# Altium PCB mdriver_power.PcbDoc (part 4 of 5)
Units mm, origin at the board's own origin, x right, y up, seen from the top; angles counter-clockwise.
Board outline 219 x 190 mm, 4 copper layers (Top Layer, Int1 (GND), Int2 (PWR), Bottom Layer), stack 1.369 mm thick; 308 components, 215 nets, 985 pads, 431 vias.
Unrouted connection lines stored in the file: 74.
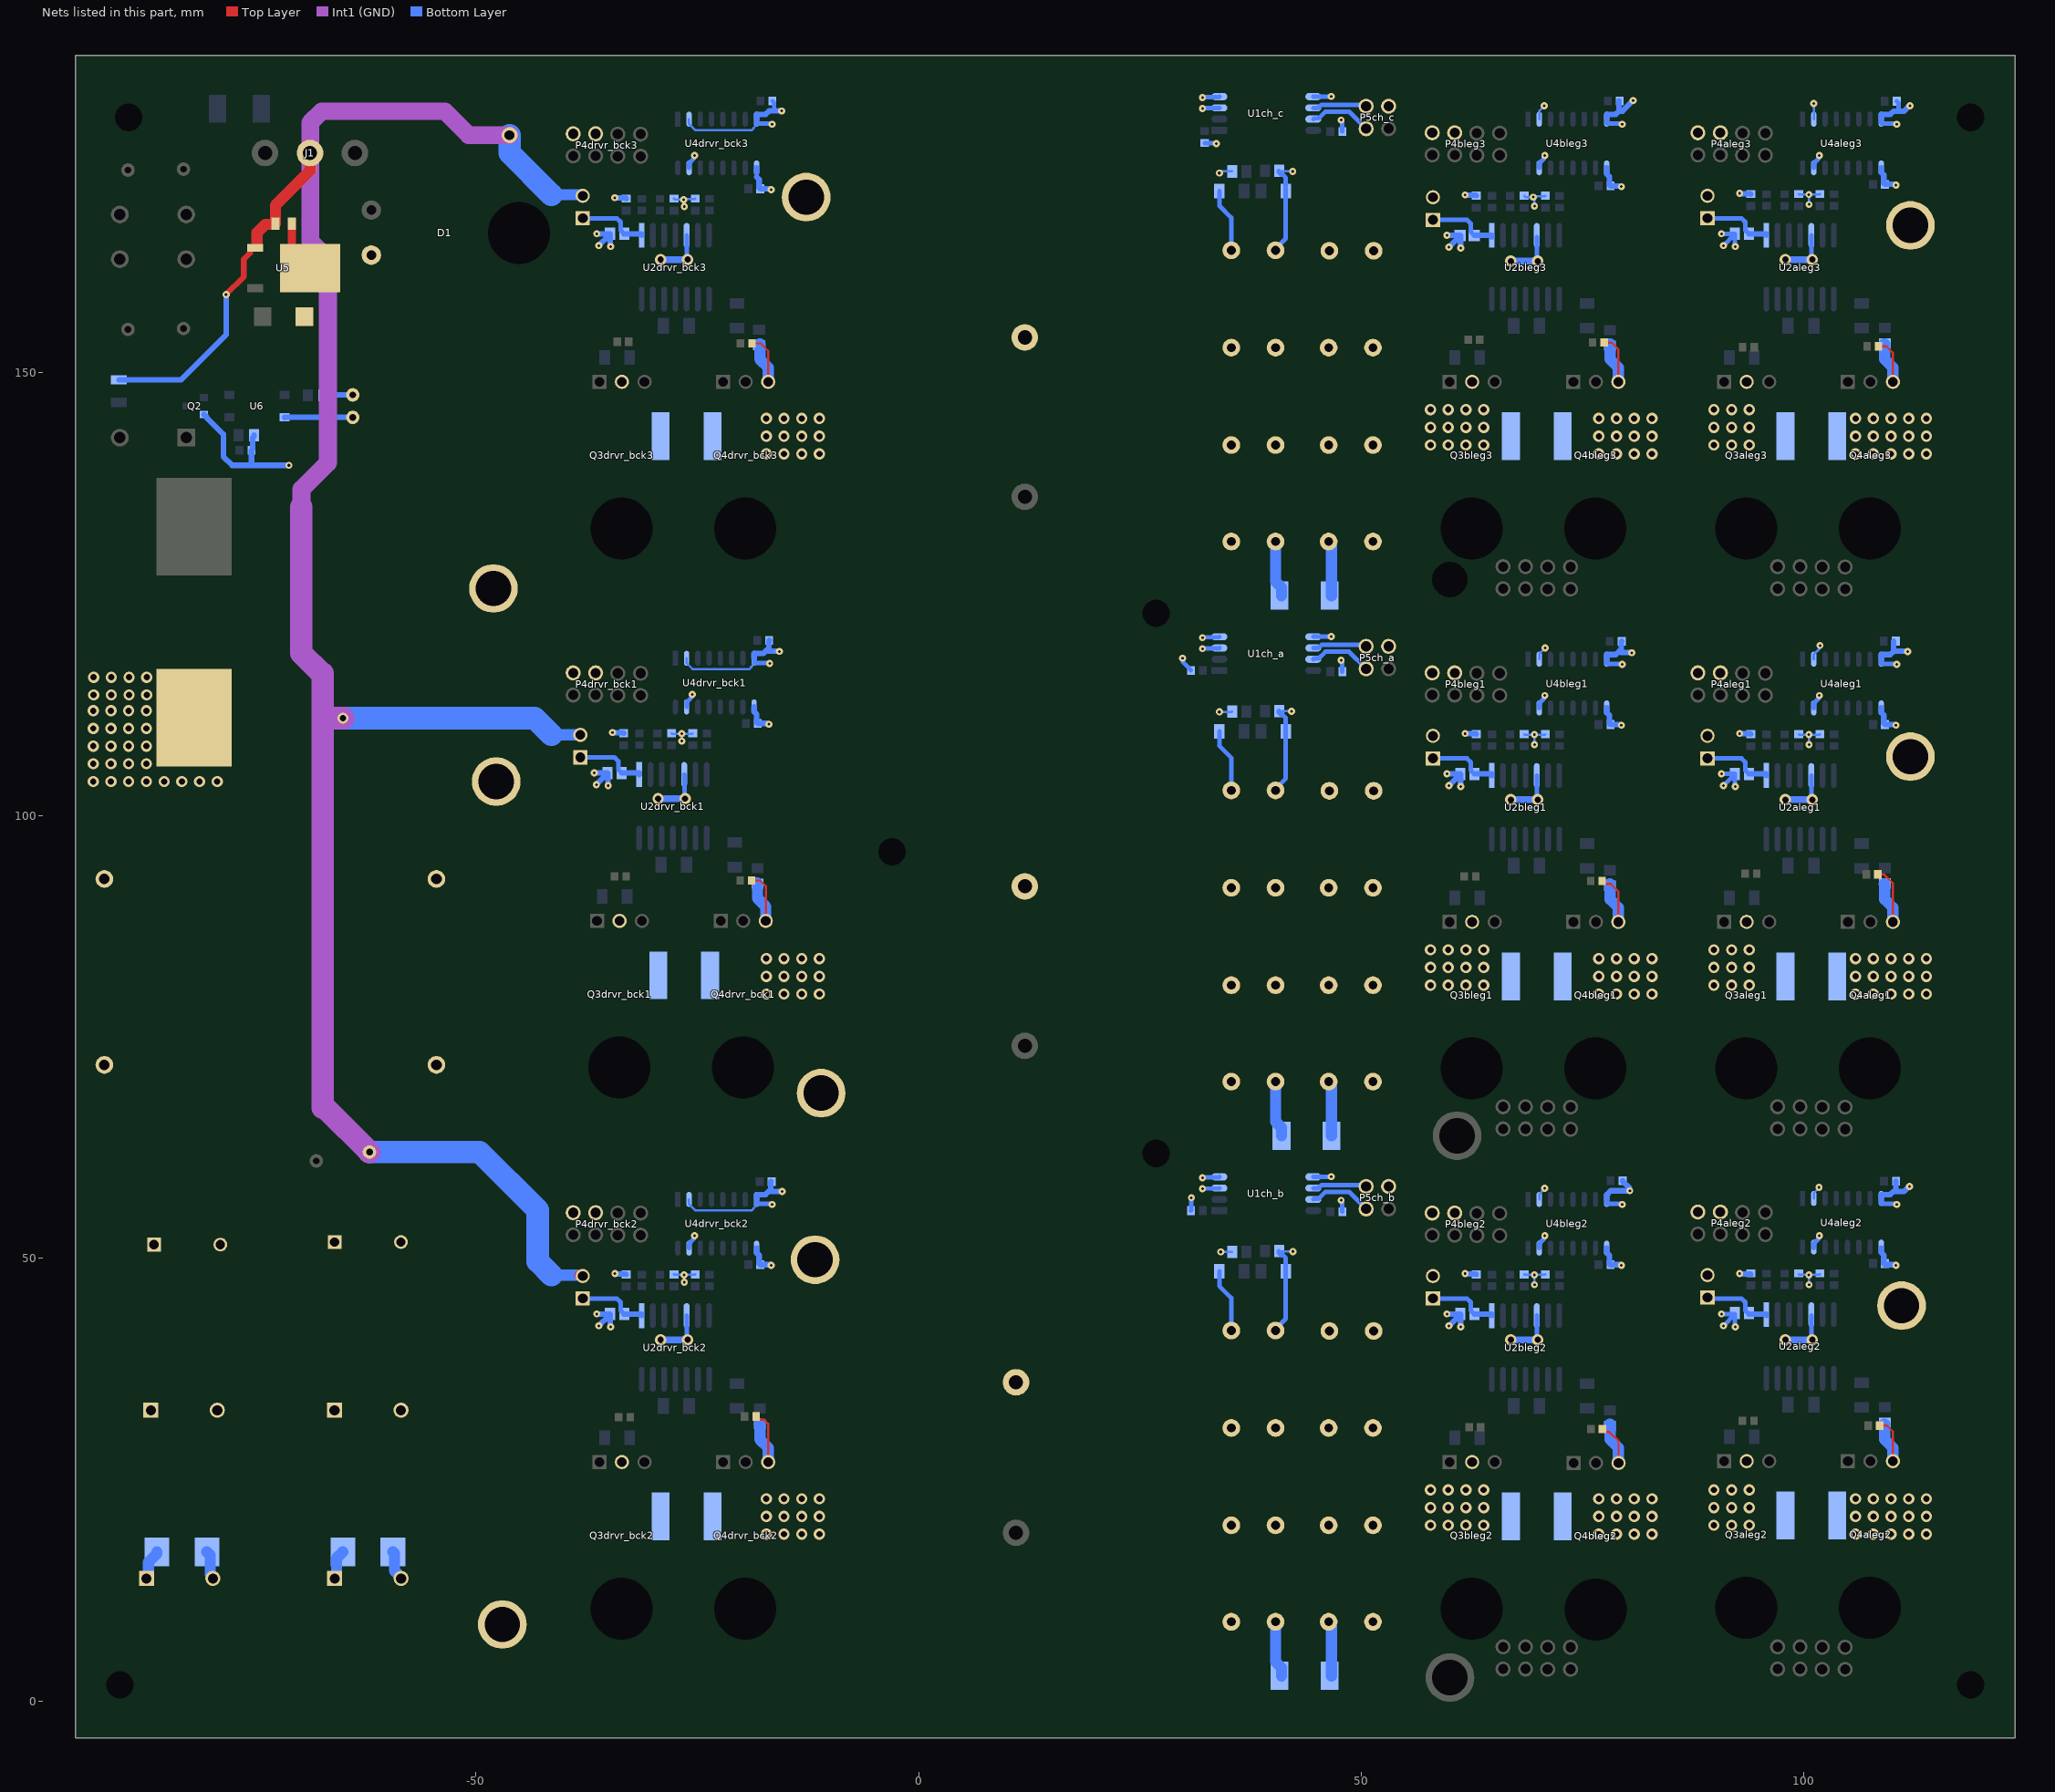
[diagram p6: the nets of this part, all layers, seen from the top]

## Via types
v1: diameter 1.27, hole 0.711, Top Layer to Bottom Layer, 247 vias
v2: diameter 0.8, hole 0.3, Top Layer to Bottom Layer, tented both sides, 160 vias
v3: diameter 0.8, hole 0.35, Top Layer to Bottom Layer, 8 vias
v4: diameter 5, hole 5, Top Layer to Bottom Layer, 6 vias
v5: diameter 3.4, hole 3.4, Top Layer to Bottom Layer, 4 vias
v6: diameter 3.2, hole 3.2, Top Layer to Bottom Layer, 4 vias
v7: diameter 1.8, hole 1.1, Top Layer to Bottom Layer, 2 vias

## Nets (pads, with @x,y where several pads share a name; then routed paths per layer and width w, separated by ;. In a path a pad name is that pad's centre, name@x,y a point inside that pad or via, vN(x,y) a via of type N, cw(c..) or ccw(c..) an arc to the next point about the centre after c; other vN are vias at no path point) (continued)
PGND: C1ch_a.2 C1ch_b.2 C1ch_c.2 C2ch_a.2 C2ch_b.2 C2ch_c.2 C3ch_a.2 C3ch_b.2 C3ch_c.2 C4ch_a.2 C4ch_b.2 C4ch_c.2 C5ch_a.2 C5ch_b.2 C5ch_c.2 C6ch_a.2 C6ch_b.2 C6ch_c.2 C7ch_a.2 C7ch_b.2 C7ch_c.2 C8ch_a.2 C8ch_b.2 C8ch_c.2 C10aleg1.1 C10aleg2.1 C10aleg3.1 C10bleg1.1 C10bleg2.1 C10bleg3.1 C10drvr_bck1.1 C10drvr_bck2.1 C10drvr_bck3.1 C12.2 C13.2 C14.2 C15aleg1.2 C15aleg2.2 C15aleg3.2 C15bleg1.2 C15bleg2.2 C15bleg3.2 C15drvr_bck1.2 C15drvr_bck2.2 C15drvr_bck3.2 C16.2 C17.1 C18.1 C20ch_a.1 C20ch_b.1 C20ch_c.1 C21aleg1.2 C21aleg2.2 C21aleg3.2 C21bleg1.2 C21bleg2.2 C21bleg3.2 C21drvr_bck1.2 C21drvr_bck2.2 C21drvr_bck3.2 C22ch_a.2 C22ch_b.2 C22ch_c.2 C24.1 C25.2 C26ch_a.1 C26ch_b.1 C26ch_c.1 C27.2 C28.2 C29.2 C36aleg1.1 C36aleg2.1 C36aleg3.1 C36bleg1.1 C36bleg2.1 C36bleg3.1 C36drvr_bck1.1 C36drvr_bck2.1 C36drvr_bck3.1 C37aleg1.1 C37aleg2.1 C37aleg3.1 C37bleg1.1 C37bleg2.1 C37bleg3.1 C37drvr_bck1.1 C37drvr_bck2.1 C37drvr_bck3.1 C38aleg1.1 C38aleg2.1 C38aleg3.1 C38bleg1.1 C38bleg2.1 C38bleg3.1 C38drvr_bck1.1 C38drvr_bck2.1 C38drvr_bck3.1 D1.1 Q2.2 Q4aleg1.3 Q4aleg2.3 Q4aleg3.3 Q4bleg1.3 Q4bleg2.3 Q4bleg3.3 Q4drvr_bck1.3 Q4drvr_bck2.3 Q4drvr_bck3.3 R11aleg1.2 R11aleg2.2 R11aleg3.2 R11bleg1.2 R11bleg2.2 R11bleg3.2 R11drvr_bck1.2 R11drvr_bck2.2 R11drvr_bck3.2 R13ch_a.1 R13ch_b.1 R13ch_c.1 R14.1 R15.1 R16ch_a.1 R16ch_b.1 R16ch_c.1 R18aleg1.2 R18aleg2.2 R18aleg3.2 R18bleg1.2 R18bleg2.2 R18bleg3.2 R18drvr_bck1.2 R18drvr_bck2.2 R18drvr_bck3.2 R23.1 scrw1.1 scrw2.1 scrw3.1 scrw4.1 scrw5.1 scrw6.1 scrw8.1 scrw9.1 scrw10.1 scrw12.1 U1ch_a.3 U1ch_a.4 U1ch_b.3 U1ch_b.4 U1ch_c.3 U1ch_c.4 U2aleg1.5 U2aleg2.5 U2aleg3.5 U2bleg1.5 U2bleg2.5 U2bleg3.5 U2drvr_bck1.5 U2drvr_bck2.5 U2drvr_bck3.5 U4aleg1.9 U4aleg1.15 U4aleg2.9 U4aleg2.15 U4aleg3.9 U4aleg3.15 U4bleg1.9 U4bleg1.15 U4bleg2.9 U4bleg2.15 U4bleg3.9 U4bleg3.15 U4drvr_bck1.9 U4drvr_bck1.15 U4drvr_bck2.9 U4drvr_bck2.15 U4drvr_bck3.9 U4drvr_bck3.15 U5.4 | length 379.1
  Top Layer w0.254: R18drvr_bck1.2@-18.848,92.667 -17.898,92.667 -17.253,92.022 Q4drvr_bck1.3@-17.253,88.098 ; R18drvr_bck3.2@-18.803,153.329 -17.828,153.329 -16.98,152.48 Q4drvr_bck3.3@-16.98,148.986 ; R18drvr_bck2.2@-18.34,32.139 -18.34,32.089 -18.042,31.791 -17.474,31.791 -16.98,31.297 Q4drvr_bck2.3@-16.98,26.986 ; R18bleg1.2@77.189,92.616 77.189,92.566 77.487,92.268 78.183,92.268 79.02,91.431 Q4bleg1.3@79.02,87.986 ; R18bleg2.2@77.215,30.716 77.215,30.666 77.513,30.368 78.03,30.368 79.042,29.357 Q4bleg2.3@79.042,26.895 ; R18bleg3.2@77.408,153.424 78.241,153.424 79.02,152.645 Q4bleg3.3@79.02,148.986 ; R18aleg1.2@108.33,93.353 109.026,93.353 110.02,92.359 Q4aleg1.3@110.02,87.986 ; R18aleg3.2@108.406,152.992 109.28,152.992 110.02,152.252 Q4aleg3.3@110.02,148.986 ; R18aleg2.2@108.533,31.097 109.356,31.097 110.02,30.433 Q4aleg2.3@110.02,27.098
  Top Layer w0.635: U5.4@-70.767,163.917 U5.4@-68.692,161.842
  Top Layer w0.889: U5.4@-70.767,163.917 C25.2@-70.767,166.842
  Bottom Layer w0.254: C37drvr_bck1.1@-27.889,109.297 -27.838,109.247 v2(-26.737,109.247) ; C37drvr_bck2.1@-27.616,48.185 -27.565,48.135 v2(-26.464,48.135) ; C37drvr_bck3.1@-27.616,169.677 -27.5,169.561 v2(-26.529,169.561) ; v2(-26.721,108.408) -26.729,108.416 -26.729,109.239 v2(-26.737,109.247) ; v2(-26.448,47.296) -26.456,47.304 -26.456,48.127 v2(-26.464,48.135) ; v2(-26.448,168.788) -26.456,168.796 -26.456,169.619 -26.464,169.627 -25.279,169.627 C38drvr_bck3.1@-25.228,169.677 ; C38drvr_bck1.1@-25.501,109.297 -25.552,109.247 v2(-26.737,109.247) ; C38drvr_bck2.1@-25.228,48.185 -25.279,48.135 v2(-26.464,48.135) ; v3(33.969,172.556) 34.038,172.556 34.232,172.75 35.396,172.75 C20ch_c.1@35.403,172.743 ; v3(33.974,111.709) 35.369,111.709 C20ch_a.1@35.403,111.743 ; v3(34.128,50.724) 35.384,50.724 C20ch_b.1@35.403,50.743 ; C26ch_b.1@40.738,50.812 40.795,50.755 v3(42.269,50.755) ; C26ch_a.1@40.738,111.812 40.776,111.774 v3(42.123,111.774) ; C26ch_c.1@40.738,172.812 40.804,172.746 v3(42.251,172.746) ; C37bleg2.1@68.384,48.185 68.435,48.135 v2(69.536,48.135) ; C37bleg1.1@68.384,109.185 68.435,109.135 v2(69.536,109.135) ; C37bleg3.1@68.384,170.007 68.55,169.841 v2(69.42,169.841) ; v2@69.536,169.957 70.721,169.957 C38bleg3.1@70.772,170.007 ; v2@69.544,169.841 69.544,168.849 v2(69.552,168.841) ; v2(69.552,47.019) 69.544,47.027 69.544,48.127 v2(69.536,48.135) ; v2(69.552,108.019) 69.544,108.027 69.544,109.127 v2(69.536,109.135) ; C38bleg2.1@70.772,48.185 70.721,48.135 v2(69.536,48.135) ; C38bleg1.1@70.772,109.185 70.721,109.135 v2(69.536,109.135) ; C37aleg2.1@99.384,48.185 99.435,48.135 v2(100.536,48.135) ; C37aleg1.1@99.384,109.185 99.435,109.135 v2(100.536,109.135) ; C37aleg3.1@99.384,170.185 99.435,170.135 v2(100.536,170.135) ; v2(100.552,47.019) 100.544,47.027 100.544,48.127 v2(100.536,48.135) ; v2(100.552,108.019) 100.544,108.027 100.544,109.127 v2(100.536,109.135) ; v2(100.552,169.019) 100.544,169.027 100.544,170.127 v2(100.536,170.135) ; C38aleg2.1@101.772,48.185 101.721,48.135 v2(100.536,48.135) ; C38aleg1.1@101.772,109.185 101.721,109.135 v2(100.536,109.135) ; C38aleg3.1@101.772,170.185 101.721,170.135 v2(100.536,170.135)
  Bottom Layer w0.508: U2drvr_bck1.5@-26.463,104.636 -26.436,104.609 -26.436,102.082 -26.484,102.034 v1(-26.356,101.906) ; U2drvr_bck2.5@-26.19,43.524 -26.163,43.497 -26.163,40.97 -26.211,40.922 v1(-26.083,40.794) ; U2drvr_bck3.5@-26.19,165.524 -26.163,165.497 -26.163,162.97 -26.211,162.922 v1(-26.083,162.794) ; U4drvr_bck1.15@-26.187,112.266 -26.187,112.781 -25.678,113.29 v2@-25.678,113.719 ; U4drvr_bck2.15@-25.914,51.154 -25.914,51.669 -25.405,52.178 v2@-25.405,52.607 ; U4drvr_bck3.15@-25.914,173.154 -25.914,173.669 -25.405,174.178 v2@-25.405,174.607 ; v2(29.818,117.774) 29.874,117.718 29.874,117.314 30.754,116.434 C22ch_a.2@30.754,116.384 ; C22ch_b.2@30.754,55.384 30.782,55.412 30.782,56.814 v2(30.81,56.842) ; v2(32.06,57.842) 32.101,57.883 33.928,57.883 U1ch_b.3@33.969,57.924 ; v2(32.06,59.092) 32.111,59.143 33.918,59.143 U1ch_b.4@33.969,59.194 ; v2(32.06,118.842) 32.101,118.883 33.928,118.883 U1ch_a.3@33.969,118.924 ; v2(32.06,120.092) 32.111,120.143 33.918,120.143 U1ch_a.4@33.969,120.194 ; v2(32.06,179.842) 32.101,179.883 33.928,179.883 U1ch_c.3@33.969,179.924 ; v2(32.06,181.092) 32.111,181.143 33.918,181.143 U1ch_c.4@33.969,181.194 ; C22ch_c.2@32.31,175.96 32.35,175.92 33.569,175.92 v2(33.609,175.88) ; C1ch_b.2@40.31,41.842 40.31,42.024 41.465,43.179 R13ch_b.1@41.465,48.526 41.465,50.035 41.109,50.391 40.909,50.391 40.688,50.612 C26ch_b.1@40.688,50.812 ; C1ch_a.2@40.31,102.842 40.31,103.024 41.465,104.179 R13ch_a.1@41.465,109.526 41.465,111.035 41.109,111.391 40.909,111.391 40.688,111.612 C26ch_a.1@40.688,111.812 ; C1ch_c.2@40.31,163.842 40.31,164.024 41.465,165.179 R13ch_c.1@41.465,170.526 41.465,172.035 41.109,172.391 40.909,172.391 40.688,172.612 C26ch_c.1@40.688,172.812 ; U2bleg2.5@69.81,43.524 69.837,43.497 69.837,40.97 69.789,40.922 v1(69.917,40.794) ; U2bleg1.5@69.81,104.524 69.837,104.497 69.837,101.97 69.789,101.922 v1(69.917,101.794) ; U2bleg3.5@69.81,165.346 69.837,165.319 69.837,162.793 69.789,162.744 v1(69.917,162.616) ; U4bleg2.15@70.086,51.154 70.086,51.669 70.595,52.178 v2@70.595,52.607 ; U4bleg1.15@70.086,112.154 70.086,112.669 70.595,113.178 v2@70.595,113.607 ; U4bleg3.15@70.086,173.154 70.086,173.669 70.595,174.178 v2@70.595,174.607 ; v2(90.659,43.71) 90.664,43.705 92.153,43.705 C10aleg2.1@92.158,43.7 ; v2(90.659,104.71) 90.664,104.705 92.153,104.705 C10aleg1.1@92.158,104.7 ; v2(90.659,165.71) 90.664,165.705 92.153,165.705 C10aleg3.1@92.158,165.7 ; v2(90.893,42.37) 90.893,42.385 92.158,43.65 C10aleg2.1@92.158,43.7 ; v2(90.893,103.37) 90.893,103.385 92.158,104.65 C10aleg1.1@92.158,104.7 ; v2(90.893,164.37) 90.893,164.385 92.158,165.65 C10aleg3.1@92.158,165.7 ; v2(92.222,42.264) 92.19,42.296 92.19,43.668 C10aleg2.1@92.158,43.7 ; v2(92.222,103.264) 92.19,103.296 92.19,104.668 C10aleg1.1@92.158,104.7 ; v2(92.222,164.264) 92.19,164.296 92.19,165.668 C10aleg3.1@92.158,165.7 ; U2aleg2.5@100.81,43.524 100.837,43.497 100.837,40.97 100.789,40.922 v1(100.917,40.794) ; U2aleg1.5@100.81,104.524 100.837,104.497 100.837,101.97 100.789,101.922 v1(100.917,101.794) ; U2aleg3.5@100.81,165.524 100.837,165.497 100.837,162.97 100.789,162.922 v1(100.917,162.794) ; U4aleg2.15@101.086,51.154 101.086,51.669 101.595,52.178 v2@101.595,52.607 ; U4aleg1.15@101.086,112.154 101.086,112.669 101.595,113.178 v2@101.595,113.607 ; U4aleg3.15@101.086,173.154 101.086,173.669 101.595,174.178 v2@101.595,174.607
  Bottom Layer w0.635: Q2.2@-80.69,145.292 -80.64,145.292 -80.4,145.052 -80.4,144.952 -78.5,143.052 -78.5,140.552 -77.5,139.552 -75.1,139.552 ; R23.1@-75.025,142.952 -75.025,142.827 -75.2,142.652 -75.192,142.644 -75.192,141.384 C29.2@-75.325,141.252 -75.325,139.777 -75.1,139.552 ; v3(-71.1,139.552) -75.1,139.552 ; v2(-36.614,104.822) -36.609,104.817 -35.12,104.817 C10drvr_bck1.1@-35.115,104.812 -35.083,104.78 -35.083,103.407 v2(-35.051,103.376) ; v2(-36.38,103.482) -36.38,103.497 -35.242,104.635 C10drvr_bck1.1@-35.242,104.733 ; v2(-36.341,43.71) -36.336,43.705 -34.847,43.705 C10drvr_bck2.1@-34.842,43.7 -34.81,43.668 -34.81,42.295 v2(-34.778,42.264) ; v2(-36.341,165.71) -36.336,165.705 -34.847,165.705 C10drvr_bck3.1@-34.842,165.7 -34.81,165.668 -34.81,164.295 v2(-34.778,164.264) ; v2(-36.107,42.37) -36.107,42.385 -34.969,43.523 C10drvr_bck2.1@-34.969,43.621 ; v2(-36.107,164.37) -36.107,164.385 -34.969,165.523 C10drvr_bck3.1@-34.969,165.621 ; v2(-34.561,109.378) -34.529,109.347 -33.349,109.347 C36drvr_bck1.1@-33.299,109.297 ; v2(-34.307,169.776) -34.276,169.744 -33.094,169.744 C36drvr_bck3.1@-33.026,169.677 ; v2(-34.288,48.266) -34.256,48.235 -33.076,48.235 C36drvr_bck2.1@-33.026,48.185 ; U4drvr_bck1.9@-18.567,112.266 -18.567,111.751 -18.279,111.462 -18.279,110.532 C21drvr_bck1.2@-18.146,110.4 -17.038,110.4 -16.952,110.313 v2(-16.907,110.313) ; U4drvr_bck2.9@-18.294,51.154 -18.294,50.639 -18.006,50.35 -18.006,49.42 C21drvr_bck2.2@-17.873,49.288 -16.765,49.288 -16.679,49.201 v2(-16.634,49.201) ; -18.294,172.131 -18.006,171.842 -18.006,170.912 C21drvr_bck3.2@-17.873,170.78 -16.765,170.78 -16.679,170.693 v2(-16.634,170.693) ; U4drvr_bck3.9@-18.294,172.639 U4drvr_bck3.9@-18.294,173.154 ; v2(59.659,43.71) 59.664,43.705 61.153,43.705 61.19,43.668 61.19,42.295 v2(61.222,42.264) ; v2(59.659,104.71) 59.664,104.705 61.153,104.705 C10bleg1.1@61.158,104.7 61.19,104.668 61.19,103.295 v2(61.222,103.264) ; v2(59.659,165.532) 59.664,165.527 61.153,165.527 C10bleg3.1@61.158,165.522 61.19,165.49 61.19,164.118 v2(61.222,164.086) ; v2(59.893,42.37) 59.893,42.385 61.031,43.523 C10bleg2.1@61.031,43.621 ; v2(59.893,103.37) 59.893,103.385 61.031,104.523 C10bleg1.1@61.031,104.621 ; v2(59.893,164.192) 59.893,164.207 61.031,165.345 C10bleg3.1@61.031,165.443 ; v2(61.712,48.266) 61.744,48.235 62.924,48.235 C36bleg2.1@62.974,48.185 ; v2(61.712,109.266) 61.744,109.235 62.924,109.235 C36bleg1.1@62.974,109.185 ; v2(61.712,170.089) 61.744,170.057 62.924,170.057 C36bleg3.1@62.974,170.007 ; U4bleg2.9@77.706,51.154 77.706,50.639 77.994,50.35 77.994,49.42 78.127,49.288 79.235,49.288 79.321,49.201 v2(79.366,49.201) ; U4bleg1.9@77.706,112.154 77.706,111.639 77.994,111.35 77.994,110.42 C21bleg1.2@78.127,110.288 79.235,110.288 79.321,110.201 v2(79.366,110.201) ; U4bleg3.9@77.706,172.461 77.994,172.173 77.994,171.243 C21bleg3.2@78.127,171.11 79.235,171.11 79.321,171.024 v2(79.366,171.024) ; U4bleg3.9@77.706,172.639 U4bleg3.9@77.706,173.154 ; v2(92.712,48.266) 92.744,48.235 93.924,48.235 C36aleg2.1@93.974,48.185 ; v2(92.712,109.266) 92.744,109.235 93.924,109.235 C36aleg1.1@93.974,109.185 ; v2(92.712,170.266) 92.744,170.235 93.924,170.235 C36aleg3.1@93.974,170.185 ; U4aleg2.9@108.706,51.154 108.706,50.639 108.994,50.35 108.994,49.42 109.127,49.288 110.235,49.288 110.321,49.201 v2(110.366,49.201) ; U4aleg1.9@108.706,112.154 108.706,111.639 108.994,111.35 108.994,110.42 C21aleg1.2@109.127,110.288 110.235,110.288 110.321,110.201 v2(110.366,110.201) ; U4aleg3.9@108.706,173.154 108.706,172.639 108.994,172.35 108.994,171.42 C21aleg3.2@109.127,171.288 110.235,171.288 110.321,171.201 v2(110.366,171.201)
  Bottom Layer w0.762: v1(-29.404,101.906) v1(-26.356,101.906) ; v1(-29.131,40.794) v1(-26.083,40.794) ; v1(-29.131,162.794) v1(-26.083,162.794) ; v1(66.869,40.794) v1(69.917,40.794) ; v1(66.869,101.794) v1(69.917,101.794) ; v1(66.869,162.616) v1(69.917,162.616) ; v1(97.869,40.794) v1(100.917,40.794) ; v1(97.869,101.794) v1(100.917,101.794) ; v1(97.869,162.794) v1(100.917,162.794)
  Bottom Layer w1.27: R14.1@-80.354,16.842 -79.973,16.461 -79.973,14.252 -79.68,13.958 C16.2@-79.68,13.842 ; R15.1@-59.354,16.842 -59.18,16.668 -59.18,14.708 -58.43,13.958 C14.2@-58.43,13.842 ; R11drvr_bck1.2@-18.228,92.395 -18.188,92.355 -18.188,90.653 -17.253,89.718 Q4drvr_bck1.3@-17.253,88.098 ; R11drvr_bck2.2@-17.955,31.283 -17.915,31.243 -17.915,29.541 -16.98,28.606 Q4drvr_bck2.3@-16.98,26.986 ; R11drvr_bck3.2@-17.955,153.283 -17.915,153.243 -17.915,151.541 -16.98,150.606 Q4drvr_bck3.3@-16.98,148.986 ; C6ch_b.2@40.31,8.946 40.31,4.428 40.984,3.754 R16ch_b.1@40.984,2.842 ; C6ch_a.2@40.31,69.946 40.31,65.428 40.984,64.754 R16ch_a.1@40.984,63.842 ; C6ch_c.2@40.31,130.946 40.31,126.428 40.984,125.754 R16ch_c.1@40.984,124.842 ; R11bleg2.2@78.045,31.283 78.085,31.243 78.085,29.541 79.02,28.606 Q4bleg2.3@79.02,26.986 ; R11bleg1.2@78.045,92.283 78.085,92.243 78.085,90.541 79.02,89.606 Q4bleg1.3@79.02,87.986 ; R11bleg3.2@78.045,153.283 78.085,153.243 78.085,151.541 79.02,150.606 Q4bleg3.3@79.02,148.986 ; R11aleg2.2@109.045,31.283 109.085,31.243 109.085,29.541 110.02,28.606 Q4aleg2.3@110.02,27.098 Q4aleg2.3@110.02,26.986 ; R11aleg1.2@109.045,92.283 109.085,92.243 109.085,90.541 110.02,89.606 Q4aleg1.3@110.02,87.986 ; R11aleg3.2@109.045,153.283 109.085,153.243 109.085,151.541 110.02,150.606 Q4aleg3.3@110.02,148.986
  other v1: -17.19,18.842 -15.19,18.842 -13.19,18.842 -11.19,18.842 76.81,18.842 78.81,18.842 80.81,18.842 82.81,18.842 105.81,18.842 107.81,18.842 109.81,18.842 111.81,18.842 113.81,18.842 -17.19,20.842 -15.19,20.842 -13.19,20.842 -11.19,20.842 76.81,20.842 78.81,20.842 80.81,20.842 82.81,20.842 105.81,20.842 107.81,20.842 109.81,20.842 111.81,20.842 113.81,20.842 -17.19,22.842 -15.19,22.842 -13.19,22.842 -11.19,22.842 76.81,22.842 78.81,22.842 80.81,22.842 82.81,22.842 105.81,22.842 107.81,22.842 109.81,22.842 111.81,22.842 113.81,22.842 -17.19,79.842 -15.19,79.842 -13.19,79.842 -11.19,79.842 76.81,79.842 78.81,79.842 80.81,79.842 82.81,79.842 105.81,79.842 107.81,79.842 109.81,79.842 111.81,79.842 113.81,79.842 -17.19,81.842 -15.19,81.842 -13.19,81.842 -11.19,81.842 76.81,81.842 78.81,81.842 80.81,81.842 82.81,81.842 105.81,81.842 107.81,81.842 109.81,81.842 111.81,81.842 113.81,81.842 -17.19,83.842 -15.19,83.842 -13.19,83.842 -11.19,83.842 76.81,83.842 78.81,83.842 80.81,83.842 82.81,83.842 105.81,83.842 107.81,83.842 109.81,83.842 111.81,83.842 113.81,83.842 -17.19,140.842 -15.19,140.842 -13.19,140.842 -11.19,140.842 76.81,140.842 78.81,140.842 80.81,140.842 82.81,140.842 105.81,140.842 107.81,140.842 109.81,140.842 111.81,140.842 113.81,140.842 -17.19,142.842 -15.19,142.842 -13.19,142.842 -11.19,142.842 76.81,142.842 78.81,142.842 80.81,142.842 82.81,142.842 105.81,142.842 107.81,142.842 109.81,142.842 111.81,142.842 113.81,142.842 -17.19,144.842 -15.19,144.842 -13.19,144.842 -11.19,144.842 76.81,144.842 78.81,144.842 80.81,144.842 82.81,144.842 105.81,144.842 107.81,144.842 109.81,144.842 111.81,144.842 113.81,144.842
  other v2: -25.283,52.556 70.717,52.556 101.717,52.556 70.717,113.556 101.717,113.556 -25.556,113.668 -25.283,174.556 70.717,174.556 101.717,174.556
SGND_ext_1_ch_a: C23ch_a.1 P5ch_a.1 U1ch_a.5 | length 3.4
  Bottom Layer w0.508: U1ch_a.5@44.569,120.194 44.58,120.205 46.577,120.205 v2(46.588,120.216) ; v2(47.717,117.548) 47.717,117.469 47.852,117.334 C23ch_a.1@47.852,116.257
SGND_ext_1_ch_b: C23ch_b.1 P5ch_b.1 U1ch_b.5 | length 3.4
  Bottom Layer w0.508: U1ch_b.5@44.569,59.194 44.58,59.205 46.577,59.205 v2(46.588,59.216) ; v2(47.717,56.548) 47.717,56.469 47.852,56.334 C23ch_b.1@47.852,55.257
SGND_ext_1_ch_c: C23ch_c.1 P5ch_c.1 U1ch_c.5 | length 3.4
  Bottom Layer w0.508: U1ch_c.5@44.569,181.194 44.58,181.205 46.577,181.205 v2(46.588,181.216) ; v2(47.717,178.548) 47.717,178.469 47.852,178.334 C23ch_c.1@47.852,177.257
SGND_ext_2: P7.1 U6.2 | length 7.7
  Bottom Layer w0.635: U6.2@-71.595,144.957 U6.2@-71.58,144.972 P7.1@-63.89,144.972
SGND_ext_aleg1: caleg1.2 P4aleg1.6 P4aleg1.8 U4aleg1.2 U4aleg1.8 | length 8.9
  Bottom Layer w0.305: U4aleg1.2@101.086,117.654 101.086,118.204 101.688,118.806 101.688,119.113 v2(101.783,119.208)
  Bottom Layer w0.508: U4aleg1.8@108.706,117.654 108.706,117.176 108.748,117.134 110.404,117.134 v2(110.46,117.078)
  Bottom Layer w0.635: U4aleg1.8@108.706,117.654 108.706,118.169 108.724,118.186 109.729,118.186 110.101,118.558 ; caleg1.2@110.101,119.701 110.101,118.558 ; v2(111.703,118.531) 111.676,118.558 110.101,118.558
SGND_ext_aleg2: caleg2.2 P4aleg2.6 P4aleg2.8 U4aleg2.2 U4aleg2.8 | length 9
  Bottom Layer w0.254: U4aleg2.2@101.086,56.766 101.086,57.366 101.678,57.957 v2(101.678,58.007)
  Bottom Layer w0.508: U4aleg2.8@108.706,56.654 108.706,56.176 108.748,56.134 110.404,56.134 v2(110.46,56.078)
  Bottom Layer w0.635: U4aleg2.8@108.706,56.654 108.706,57.169 108.724,57.186 109.729,57.186 110.101,57.558 111.29,57.558 111.843,58.111 v2(111.887,58.111) ; 110.349,57.558 110.349,58.69 caleg2.2@110.367,58.708
SGND_ext_aleg3: caleg3.2 P4aleg3.6 P4aleg3.8 U4aleg3.2 U4aleg3.8 | length 9.5
  Bottom Layer w0.254: v2(101.083,180.418) 101.084,180.417 101.084,178.656 U4aleg3.2@101.086,178.654
  Bottom Layer w0.508: U4aleg3.8@108.706,178.654 108.706,178.176 108.748,178.134 110.404,178.134 v2(110.46,178.078) ; caleg3.2@110.443,180.684 110.639,180.488 110.639,179.729 110.81,179.558
  Bottom Layer w0.635: U4aleg3.8@108.706,178.654 108.706,179.169 108.724,179.186 109.729,179.186 110.101,179.558 110.81,179.558 111.287,179.558 111.895,180.166 v2(111.94,180.166)
SGND_ext_bleg1: cbleg1.2 P4bleg1.6 P4bleg1.8 U4bleg1.2 U4bleg1.8 | length 8.7
  Bottom Layer w0.254: U4bleg1.2@70.086,117.654 70.086,118.241 70.747,118.903 v2(70.747,118.94)
  Bottom Layer w0.508: U4bleg1.8@77.706,117.654 77.706,117.176 77.748,117.134 79.404,117.134 v2(79.46,117.078)
  Bottom Layer w0.635: U4bleg1.8@77.706,117.654 77.706,118.169 77.724,118.186 78.729,118.186 79.101,118.558 79.246,118.413 80.499,118.413 v2(80.53,118.382) ; 79.35,118.413 79.35,119.646 cbleg1.2@79.39,119.686
SGND_ext_bleg2: cbleg2.2 P4bleg2.6 P4bleg2.8 U4bleg2.2 U4bleg2.8 | length 8.6
  Bottom Layer w0.254: U4bleg2.2@70.086,56.652 70.086,57.241 70.701,57.856 v2(70.701,57.895)
  Bottom Layer w0.508: U4bleg2.8@77.706,56.654 77.706,56.176 77.748,56.134 79.404,56.134 v2(79.46,56.078)
  Bottom Layer w0.635: U4bleg2.8@77.706,56.654 77.706,57.167 78.16,57.621 v2(80.312,57.621) 80.281,57.653 80.281,57.925 79.498,58.707 cbleg2.2@79.498,58.757
SGND_ext_bleg3: cbleg3.2 P4bleg3.6 P4bleg3.8 U4bleg3.2 U4bleg3.8 | length 9.3
  Bottom Layer w0.254: U4bleg3.2@70.086,178.654 70.121,178.689 70.121,179.624 v2(70.661,180.164)
  Bottom Layer w0.508: U4bleg3.8@77.706,178.654 77.706,178.176 77.748,178.134 79.404,178.134 v2(79.46,178.078)
  Bottom Layer w0.635: U4bleg3.8@77.706,178.654 77.706,179.169 77.724,179.186 78.729,179.186 79.101,179.558 ; cbleg3.2@79.101,180.701 79.101,179.558 ; v2(80.68,180.751) 79.487,179.558 79.101,179.558
SGND_ext_drvr_bck1: cdrvr_bck1.2 P4drvr_bck1.6 P4drvr_bck1.8 U4drvr_bck1.2 U4drvr_bck1.8 | length 16
  Bottom Layer w0.254: U4drvr_bck1.2@-26.187,117.766 -26.187,117.216 -25.506,116.535 -19.093,116.535 -18.913,116.715 -18.913,116.776 -18.525,117.165 U4drvr_bck1.8@-18.525,117.246
  Bottom Layer w0.508: U4drvr_bck1.8@-18.567,117.766 -18.567,117.288 -18.525,117.246 -16.869,117.246 v2(-16.813,117.19)